# Altium PCB XInC2 Dev - PCB v2.0 20210410.PcbDoc (part 2 of 2)
Units mil, origin at the board's own origin, x right, y up, seen from the top; angles counter-clockwise.
Board outline 2362.2 x 3149.61 mil, 2 copper layers (Top Layer, Bottom Layer), stack 65.792 mil thick; 102 components, 103 nets, 476 pads, 446 vias.
Unrouted connection lines stored in the file: 2.
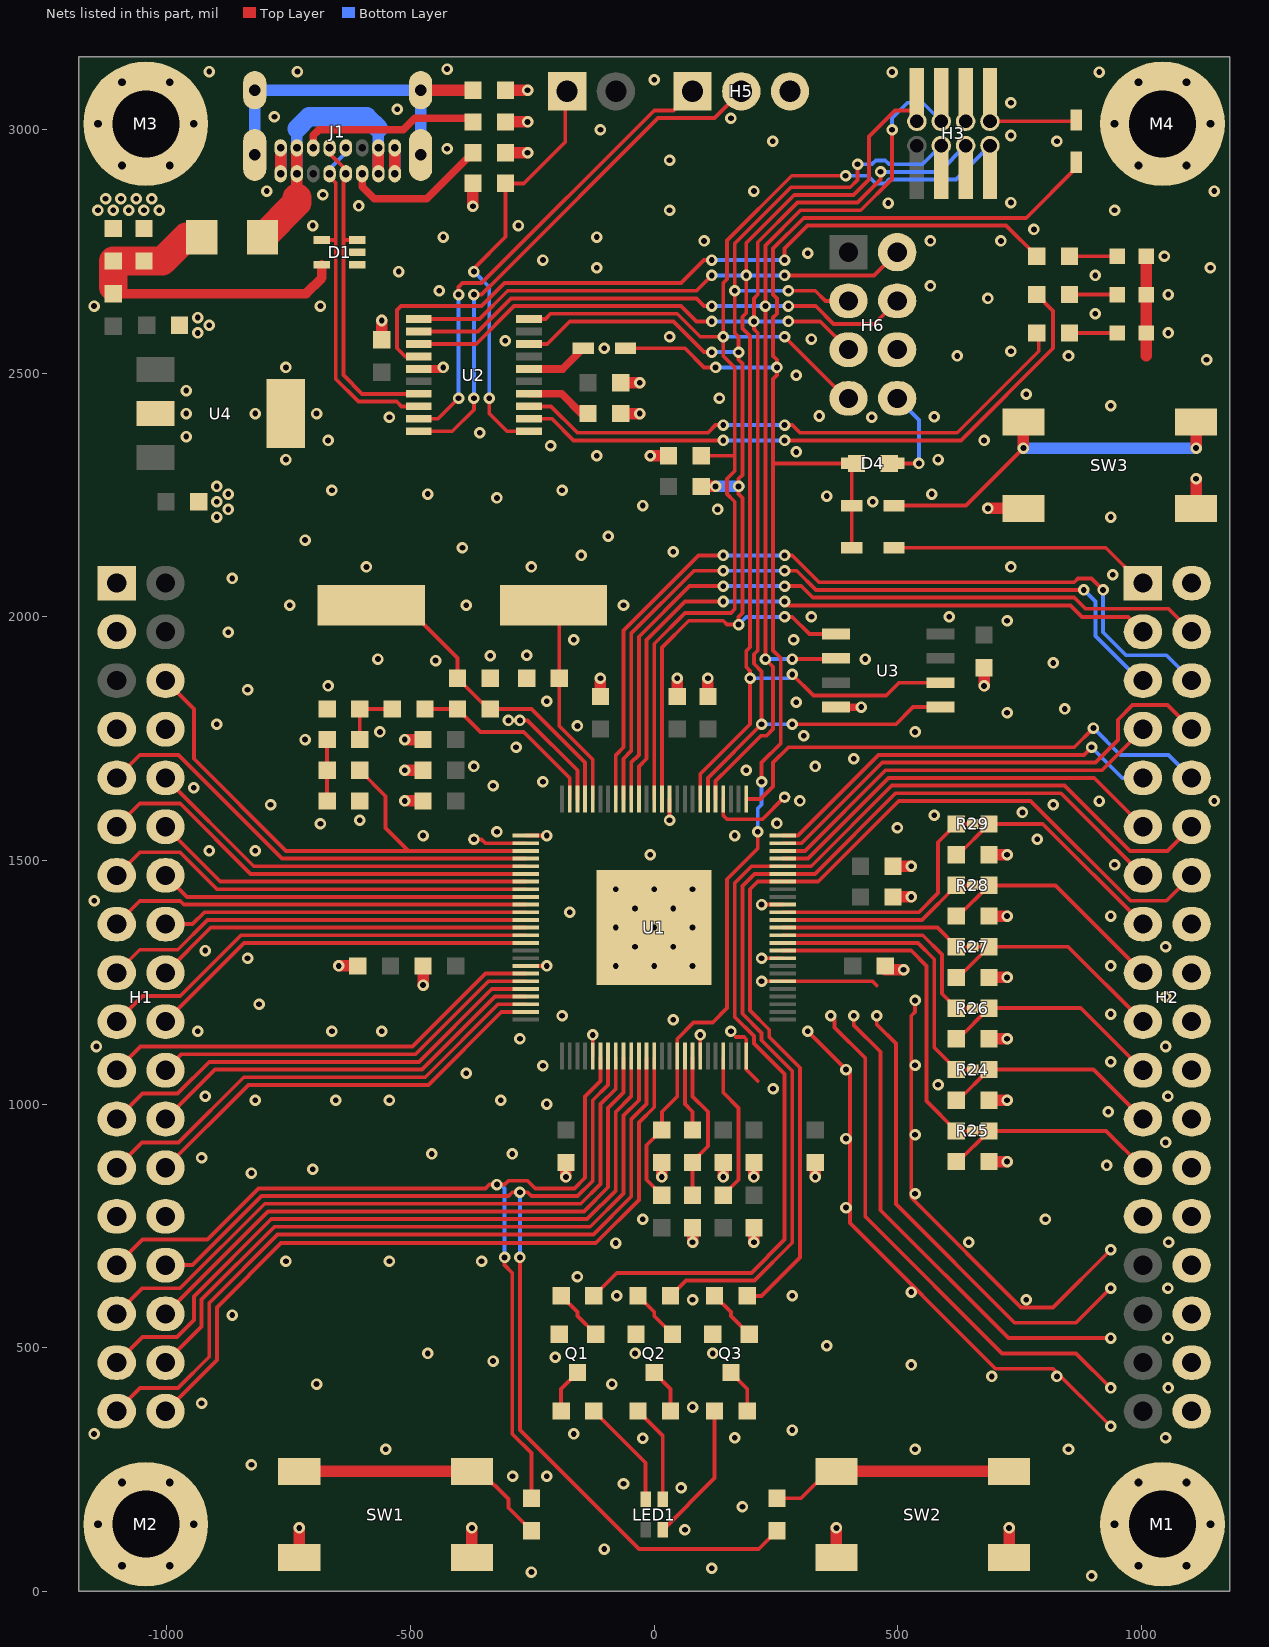
[diagram p2: the nets of this part, all layers, seen from the top]

## Via types
v1: diameter 23.62, hole 11.81, Top Layer to Bottom Layer, tented both sides, 446 vias

## Nets (pads, with @x,y where several pads share a name; then routed paths per layer and width w, separated by ;. In a path a pad name is that pad's centre, name@x,y a point inside that pad or via, vN(x,y) a via of type N, cw(c..) or ccw(c..) an arc to the next point about the centre after c; other vN are vias at no path point) (continued)
GND: C1.2 C2.2 C3.2 C4.2 C5.2 C6.2 C7.2 C8.2 C9.2 C10.2 C11.2 C12.2 C13.2 C14.2 C15.2 C16.2 C17.2 C18.1 C19.2 C20.2 C21.2 C22.2 C23.2 C25.2 C26.2 C27.2 C28.2 C29.2 C30.2 C31.2 C32.2 C33.2 C34.2 C35.2 C36.2 C37.2 D1.1 D1.2 H1.1 H1.3 H1.7 H1.8 H1.27 H1.28 H2.2 H2.16 H2.18 H2.20 H2.22 H2.24 H2.26 H2.27 H2.28 H2.30 H2.32 H2.34 H2.36 H3.6 H5.3 H6.6 J1.A1 J1.A12 J1.B1 J1.B12 LED2.2 LED3.2 LED4.2 M1.1 M2.1 M3.1 M4.1 Q1.E Q2.E Q3.E R4.1 R5.1 R14.1 R18.1 R20.1 SW1.1 SW1.2 SW2.1 SW2.2 SW3.1 SW3.2 U1.0 U1.6 U1.9 U1.16 U1.36 U1.48 U1.51 U1.68 U1.80 U1.94 U1.100 U2.15 U3.4 U4.2 | length 8142.8
  Top Layer w7.87: v1(-299.21,1787.4) v1(-275.59,1787.4) -259.84,1787.4 -157.48,1685.04 U1.48@-157.48,1625.98 ; U1.68@-263.78,1283.46 v1(-220.47,1283.46) ; U1.51@-263.78,1551.18 v1(-220.47,1551.18) ; U1.80@-125.98,1098.43 v1(-125.98,1141.73) ; v1(31.5,1582.68) U1.36@31.5,1625.98 ; U1.94@94.49,1098.43 v1(94.49,1141.73) ; 167.91,1137.8 184.2,1137.8 188.98,1133.02 U1.100@188.98,1098.43 188.98,1070.87 212.6,1047.24 ; v1(220.47,1251.97) U1.6@263.78,1251.97 447.87,1251.97 456.69,1243.15 ; v1(220.47,1299.21) U1.9@263.78,1299.21 ; v1(220.47,1409.45) U1.16@263.78,1409.45 ; v1(314.96,1149.61) 401.57,1062.99 401.57,755.91 700.79,456.69 818.9,456.69 v1(937.01,338.58) ; v1(362.2,1181.1) 370.08,1173.23 370.08,1157.37 433.07,1094.37 433.07,768.95 713.83,488.19 866.14,488.19 v1(937.01,417.32) ; v1(409.45,1181.1) 409.45,1162.54 464.57,1107.42 464.57,782 726.88,519.68 v1(937.01,519.68) ; v1(456.69,1181.1) 456.69,1163.44 496.06,1124.07 496.06,795.04 739.93,551.18 866.14,551.18 v1(937.01,622.05) ; v1(535.43,1212.6) 535.43,1188.98 527.56,1181.1 527.56,808.09 752.97,582.68 818.9,582.68 v1(937.01,700.79)
  Top Layer w15.75: U2.15@-483.27,2508.86 v1@-433.07,2508.86 ; U3.4@373.07,1814.76 v1(425.2,1814.76)
  Top Layer w23.62: J1.A12@-766.73,2909.45 J1.B1@-766.73,2962.6 ; SW1.2@-728.35,68.9 v1(-728.35,129.92) ; v1(-647.64,1283.46) C11.2@-608.27,1283.46 ; C22.2@-559.06,2568.9 v1(-559.06,2608.27) ; J1.A1@-532.48,2909.45 J1.B12@-532.48,2962.6 ; v1@-503.94,1622.05 C35.2@-474.41,1622.05 ; v1@-503.94,1685.04 C36.2@-474.41,1685.04 ; v1@-503.94,1748.03 C37.2@-474.41,1748.03 ; v1(-474.41,1244.09) C9.2@-474.41,1283.46 ; SW1.1@-374.02,68.9 v1(-374.02,129.92) ; v1(-372.05,2842.52) R14.1@-372.05,2889.76 ; R5.1@-305.12,2952.76 v1(-259.84,2952.76) ; R4.1@-305.12,3015.75 v1(-259.84,3015.75) ; R18.1@-305.12,3081.1 v1(-259.84,3081.1) ; v1(-181.1,850.39) C12.2@-181.1,879.92 ; C8.2@-110.24,1836.61 v1@-110.24,1866.14 ; C21.2@-68.9,2417.32 v1(-29.53,2417.32) ; C23.2@-68.9,2480.31 v1(-29.53,2480.31) ; v1(-7.87,2330.71) R20.1@29.53,2330.71 ; v1(15.75,850.39) C19.2@15.75,879.92 ; C7.2@47.24,1836.61 v1@47.24,1866.14 ; v1(78.74,716.54) C18.1@78.74,746.06 ; C10.2@110.24,1836.61 v1@110.24,1866.14 ; v1(141.73,850.39) C33.2@141.73,879.92 ; v1(204.72,716.54) C13.2@204.72,746.06 ; v1(204.72,850.39) C34.2@204.72,879.92 ; v1(330.71,850.39) C16.2@330.71,879.92 ; SW2.2@374.02,68.9 v1(374.02,129.92) ; C5.2@474.41,1275.59 v1(511.81,1275.59) ; C6.2@490.16,1425.2 v1(527.56,1425.2) ; C17.2@490.16,1488.19 v1(527.56,1488.19) ; v1(677.17,1858.27) C20.2@677.17,1895.67 ; v1(685.04,2222.44) SW3.2@757.87,2222.44 ; C28.2@687.01,881.89 v1(724.41,881.89) ; C27.2@687.01,1007.87 v1(724.41,1007.87) ; C29.2@687.01,1133.86 v1(724.41,1133.86) ; C30.2@687.01,1259.84 v1(724.41,1259.84) ; C31.2@687.01,1385.83 v1(724.41,1385.83) ; C32.2@687.01,1511.81 v1(724.41,1511.81) ; SW2.1@728.35,68.9 v1(728.35,129.92) ; 1009.84,2535.43 LED4.2@1009.84,2582.68 LED3.2@1009.84,2661.42 LED2.2@1009.84,2740.16 ; SW3.1@1112.2,2222.44 v1(1112.2,2283.46)
  Bottom Layer w23.62: J1.A12@-766.73,2909.45 J1.B1@-766.73,2962.6 ; J1.A1@-532.48,2909.45 J1.B12@-532.48,2962.6
  other v1: 897.64,31.5 -251.97,39.37 118.11,47.24 -102.36,86.61 62.99,125.98 181.1,173.23 55.12,212.6 -62.99,220.47 -290.7,236.22 -220.47,236.22 -826.77,259.84 -551.18,291.34 535.43,291.34 850.39,291.34 -23.62,313.91 165.35,314.96 1049.69,314.96 -1149.61,322.83 -165.35,322.83 283.46,330.71 78.74,377.95 -929.13,385.83 1055.12,417.32 -692.91,425.2 -86.61,425.2 692.91,440.94 826.77,440.94 527.56,464.57 -330.71,472.44 -202.99,480.31 -464.57,488.19 -39.37,488.19 120.08,488.19 354.33,503.94 1054.46,519.68 -866.14,566.93 78.74,598.43 763.78,598.43 -76.77,606.3 283.46,606.3 527.56,614.17 1054.46,622.05 -157.48,645.67 -755.91,677.17 -543.31,677.17 -354.33,677.17 -78.74,714.57 645.67,716.54 1055.71,716.54 -23.62,763.78 803.15,763.78 393.7,787.4 535.43,815.96 -826.77,858.27 -700.79,866.14 929.13,874.02 -929.13,889.76 -456.69,897.64 -291.34,897.64 1049.69,921.26 393.7,929.13 535.43,937.01 932.17,984.25 -220.47,1000 -818.9,1007.87 -653.54,1007.87 -543.31,1007.87 -314.96,1007.87 -921.26,1015.75 1054.46,1015.75 244.09,1031.5 582.68,1039.37 -385.83,1062.99 393.7,1070.87 -228.35,1078.74 535.43,1079.43 937.01,1086.61 -1144.92,1118.11 1049.69,1118.11 -275.59,1133.86 -937.01,1149.3 -661.42,1149.61 -559.06,1149.61 157.48,1149.61 39.37,1173.23 -188.98,1181.1 937.01,1184.81 -811.02,1204.72 1049.69,1220.47 -78.74,1283.46 0,1283.46 78.74,1283.46 937.01,1283.46 -834.65,1299.21 -921.26,1314.96 -39.37,1322.83 39.37,1322.83 1049.69,1322.83 -78.74,1362.2 0,1362.2 78.74,1362.2 937.01,1385.83 -173.23,1393.7 -39.37,1401.57 39.37,1401.57 -1149.28,1417.32 -78.74,1440.94 0,1440.94 78.74,1440.94 944.88,1491.13 -7.87,1511.81 -913.39,1519.68 -818.9,1519.68 786.47,1543.31 -474.41,1551.18 165.35,1551.18 -322.83,1559.06 499.19,1566.93 -685.04,1575.48 251.97,1576.07 -604.33,1582.68 574.8,1592.52 755.91,1598.43 -787.4,1614.17 818.9,1614.17 -511.81,1622.05 299.21,1622.05 913.39,1621.92 1149.61,1622.05 -944.88,1649.3 -330.71,1653.54 -228.35,1661.42 -511.81,1685.04 188.98,1685.04 -370.08,1692.91 330.71,1692.91 409.45,1708.66 -283.46,1732.28 -716.54,1748.03 -511.81,1748.03 307.09,1755.91 -562.99,1763.78 535.43,1763.78 -157.48,1776.21 -897.64,1779.53 724.41,1803.15 842.52,1811.02 291.34,1824.61 -220.47,1826.77 -834.65,1850.39 -669.29,1858.27 -110.24,1874.02 47.24,1874.02 110.24,1874.02 818.9,1905.51 -448.82,1910.37 -566.93,1913.39 433.07,1913.39 -336.61,1919.96 -261.81,1921.26 -165.35,1952.76 286,1952.76 -874.02,1968.5 724.41,1992.13 322.83,2000 605.63,2000 -748.03,2023.62 -385.83,2023.62 -62.99,2023.62 -866.14,2078.74 941.33,2086.61 -590.55,2102.36 -251.97,2102.36 732.28,2102.36 -149.61,2125.98 39.37,2133.86 -393.7,2141.73 -716.54,2157.48 -94.49,2165.35 -897.64,2204.72 937.01,2204.72 -874.02,2220.47 130.18,2220.47 -23.62,2228.35 -897.64,2236.22 448.82,2236.22 -322.83,2244.09 354.33,2248 -874.02,2251.97 -464.57,2251.97 569.82,2251.97 -661.42,2259.84 -188.98,2259.84 -897.64,2267.72 -755.91,2322.83 582.68,2322.83 -118.11,2330.71 291.34,2338.58 -212.6,2351.08 -669.29,2362.2 677.17,2362.2 -960.63,2370.08 -358.04,2377.95 -543.31,2409.45 446.44,2409.45 574.8,2410.6 338.58,2412.24 -960.63,2417.32 -818.9,2417.32 -692.91,2417.32 937.01,2433.07 133.86,2448.82 763.78,2456.69 -960.63,2464.57 291.34,2496.06 -755.91,2511.81 -433.07,2511.81 1133.86,2527.56 622.05,2535.43 850.39,2535.43 732.28,2545.28 -102.36,2551.18 -305.64,2566.93 322.83,2570.27 31.5,2574.8 -937.01,2582.68 1055.12,2582.68 -913.39,2598.43 -937.01,2614.17 905.51,2622.05 -1149.61,2637.8 -685.04,2637.8 685.04,2653.54 1055.12,2661.42 -440.94,2669.29 566.93,2679.31 905.51,2700.79 -524.29,2708.66 -118.11,2716.54 1141.73,2716.54 -228.35,2732.28 1047.24,2740.16 314.96,2746.48 102.36,2771.65 566.93,2771.65 711.81,2771.65 -433.07,2779.53 -118.11,2779.53 779.53,2795.28 -700.79,2803.15 -278.54,2803.15 -1141.73,2834.65 -1110.24,2834.65 -1078.74,2834.65 -1047.24,2834.65 -1015.75,2834.65 31.5,2834.65 944.88,2834.65 -606.3,2843.43 480.32,2849.41 732.28,2850.39 -1125.98,2858.27 -1094.49,2858.27 -1062.99,2858.27 -1031.5,2858.27 -679.84,2866.14 -795.28,2874.02 204.72,2874.02 1149.61,2874.02 31.5,2937.01 -425.2,2960.63 243.53,2976.38 826.77,2976.38 732.28,2987.99 -110.24,3000 157.48,3023.62 -779.53,3026.42 -527.56,3042.1 732.28,3055.12 0,3102.36 488.19,3118.11 913.39,3118.11 -913.39,3119.31 -732.28,3119.31 -425.2,3124.36
NetC1_1: C1.1 U1.46 X1.1 | length 431.1
  Top Layer w7.87: X1.1@-206.69,2023.62 -194.88,2011.81 C1.1@-194.88,1874.02 -194.88,1776.21 -125.98,1707.31 U1.46@-125.98,1625.98
NetC2_1: C2.1 C24.1 U1.47 X1.2 | length 671.7
  Top Layer w7.87: X1.2@-580.71,2023.62 -511.81,2023.62 -403.54,1915.35 C2.1@-403.54,1874.02 C24.1@-340.55,1811.02 ; C24.1@-348.43,1811.02 C24.1@-344.49,1811.02 ; C24.1@-336.61,1811.02 -251.97,1811.02 -141.73,1700.79 U1.47@-141.73,1625.98
NetC18_2: C18.2 R3.2 U1.93 | length 305.6
  Top Layer w7.87: C18.2@78.74,812.99 R3.2@78.74,879.92 ; R3.2@78.74,881.89 110.24,913.39 110.24,984.25 78.74,1015.75 U1.93@78.74,1094.49
NetC21_1: C21.1 U2.4 | length 137.8
  Top Layer w15.75: U2.4@-256.89,2457.68 -189.96,2457.68 -149.61,2417.32 C21.1@-135.83,2417.32
NetC24_2: C24.2 R21.1 U1.49 | length 399.3
  Top Layer w7.87: R21.1@-470.47,1811.02 C24.2@-403.54,1811.02 -356.3,1763.78 -267.72,1763.78 -173.23,1669.29 U1.49@-173.23,1625.98
NetC25_1: C25.1 R21.2 R22.1 | length 129.9
  Top Layer w7.87: R22.1@-604.33,1748.03 C25.1@-604.33,1811.02 R21.2@-537.4,1811.02
NetC26_1: C26.1 R22.2 R23.1 | length 126
  Top Layer w7.87: C26.1@-671.26,1622.05 R22.2@-671.26,1748.03
NetD2_2: D2.2 H3.8 | length 225.4
  Top Layer w7.87: H3.8@689.17,3065.55 H3.8@689.17,3017.13 D2.2@866.14,3017.13
NetD3_2: D3.2 U2.6 | length 128.8
  Top Layer w15.75: U2.6@-256.89,2508.86 -187.99,2508.86 D3.2@-145.67,2551.18
NetD4_2: D4.2 H6.8 | length 203.1
  Top Layer w7.87: D4.2@492.13,2314.96 v1(543.31,2314.96)
  Bottom Layer w7.87: H6.8@498.82,2448.43 543.31,2403.94 v1(543.31,2314.96)
NetD5_2: D5.2 SW3.3 SW3.4 | length 775.3
  Top Layer w7.87: D5.2@492.13,2228.35 639.76,2228.35 v1(757.87,2346.46)
  Top Layer w23.62: v1(757.87,2346.46) SW3.4@757.87,2399.61 ; v1(1112.2,2346.46) SW3.3@1112.2,2399.61
  Bottom Layer w23.62: v1(757.87,2346.46) v1(1112.2,2346.46)
NetD6_2: D6.2 H2.1 | length 541
  Top Layer w7.87: D6.2@492.13,2141.73 926.77,2141.73 999.21,2069.29 H2.1@1003.15,2069.29
NetF1_1: F1.1 J1.A4 J1.A9 J1.B4 J1.B9 | length 638.3
  Top Layer w23.62: -733.27,2860.24 J1.A9@-733.27,2909.45 J1.B4@-733.27,2962.6 ; J1.A4@-565.94,2909.45 J1.B9@-565.94,2962.6
  Top Layer w59.06: F1.1@-803.94,2779.55 -733.27,2850.22 -733.27,2860.24
  Bottom Layer w23.62: J1.A9@-733.27,2909.45 J1.B4@-733.27,2962.6 -733.27,3001.97 ; J1.A4@-565.94,2909.45 J1.B9@-565.94,2962.6 -565.94,3002.38
  Bottom Layer w39.37: -733.27,3001.97 -708.82,3026.42 -589.98,3026.42 -565.94,3002.38
NetH4_1: H4.1 R14.2 U2.1 | length 870.8
  Top Layer w7.87: v1(-370.08,2708.66) -370.08,2715.18 -305.12,2780.15 R14.2@-305.12,2889.76 -267.72,2889.76 -182.68,2974.8 H4.1@-182.68,3078.74 ; v1(-338.58,2448.82) -338.58,2417.32 -302.17,2380.91 U2.1@-256.89,2380.91
  Bottom Layer w7.87: v1(-370.08,2708.66) -338.58,2677.17 v1(-338.58,2448.82)
NetJ1_0: J1.0 R18.2 | length 714
  Top Layer w23.62: J1.0@-479.33,3081.1 R18.2@-372.05,3081.1
  Bottom Layer w23.62: J1.0@-819.88,2948.03 J1.0@-819.88,3081.1 J1.0@-479.33,3081.1 J1.0@-479.33,2948.03
NetJ1_A5: J1.A5 R5.2 | length 303.3
  Top Layer w15.75: J1.A5@-599.41,2909.45 -599.41,2882.87 -574.8,2858.27 -466.54,2858.27 R5.2@-372.05,2952.76
NetJ1_B5: J1.B5 R4.2 | length 371.3
  Top Layer w15.75: J1.B5@-699.8,2962.6 -699.8,2988.19 -687.99,3000 -515.19,3000 -491.57,3023.62 -379.92,3023.62 R4.2@-372.05,3015.75
NetLED1_1: LED1.1 R6.1 | length 225.1
  Top Layer w7.87: R6.1@-124.02,370.08 -17.72,263.78 LED1.1@-17.72,188.98
NetLED1_2: LED1.2 R7.1 | length 202.3
  Top Layer w7.87: R7.1@-33.46,370.08 17.72,318.9 LED1.2@17.72,188.98
NetLED1_3: LED1.3 R8.2 | length 288.1
  Top Layer w7.87: LED1.3@17.72,125.98 124.02,232.28 R8.2@124.02,370.08
NetLED2_1: LED2.1 R15.2 | length 98.4
  Top Layer w7.87: R15.2@852.36,2740.16 LED2.1@950.79,2740.16
NetLED3_1: LED3.1 R16.2 | length 98.4
  Top Layer w7.87: R16.2@852.36,2661.42 LED3.1@950.79,2661.42
NetLED4_1: LED4.1 R17.1 | length 98.4
  Top Layer w7.87: R17.1@852.36,2582.68 LED4.1@950.79,2582.68
NetQ1_B: Q1.B R9.2 | length 108.1
  Top Layer w7.87: R9.2@-190.95,606.3 -157.48,572.83 -157.48,564.96 Q1.B@-120.08,527.56
NetQ1_C: Q1.C R6.2 | length 92.6
  Top Layer w7.87: R6.2@-190.95,370.08 -190.95,415.35 Q1.C@-157.48,448.82
NetQ2_B: Q2.B R11.2 | length 108.1
  Top Layer w7.87: R11.2@-33.46,606.3 0,572.83 0,564.96 Q2.B@37.4,527.56
NetQ2_C: Q2.C R7.2 | length 92.6
  Top Layer w7.87: Q2.C@0,448.82 33.46,415.35 R7.2@33.46,370.08
NetQ3_B: Q3.B R12.2 | length 108.1
  Top Layer w7.87: R12.2@124.02,606.3 157.48,572.83 157.48,564.96 Q3.B@194.88,527.56
NetQ3_C: Q3.C R8.1 | length 92.6
  Top Layer w7.87: Q3.C@157.48,448.82 190.94,415.35 R8.1@190.94,370.08
NetR2_1: R2.1 U1.97 | length 307.6
  Top Layer w7.87: R2.1@141.73,812.99 173.23,844.49 173.23,992.13 141.73,1023.62 U1.97@141.73,1094.49
NetR3_1: R3.1 U1.92 | length 152.2
  Top Layer w7.87: U1.92@62.99,1094.49 62.99,1000 78.74,984.25 R3.1@78.74,948.82
NetR10_2: R10.2 SW1.3 SW1.4 | length 537.3
  Top Layer w7.87: SW1.3@-374.02,246.06 -356.3,246.06 -299.21,188.98 -299.21,171.26 R10.2@-251.97,124.02
  Top Layer w23.62: SW1.4@-728.35,246.06 SW1.3@-374.02,246.06
NetR13_2: R13.2 SW2.3 SW2.4 | length 499.2
  Top Layer w7.87: R13.2@251.97,190.94 301.18,190.94 356.3,246.06 SW2.4@374.02,246.06
  Top Layer w23.62: SW2.4@374.02,246.06 SW2.3@728.35,246.06
NetR15_1: R15.1 U2.14 | length 1554.6
  Top Layer w7.87: U2.14@-483.27,2534.45 -510.83,2534.45 -527.56,2551.18 -527.56,2629.92 -519.69,2637.8 -354.33,2637.8 -307.09,2685.04 55.12,2685.04 102.36,2732.28 v1(118.11,2732.28) ; v1(267.72,2732.28) 267.72,2755.91 314.96,2803.15 722.44,2803.15 R15.1@785.43,2740.16
  Bottom Layer w7.87: v1(118.11,2732.28) v1(267.72,2732.28)
NetR16_1: R16.1 U2.2 | length 1296.5
  Top Layer w7.87: U2.2@-256.89,2406.5 -209.65,2406.5 -165.35,2362.2 v1(141.73,2362.2) ; v1(267.72,2362.2) 629.92,2362.2 818.9,2551.18 818.9,2627.95 R16.1@785.43,2661.42
  Bottom Layer w7.87: v1(141.73,2362.2) v1(267.72,2362.2)
NetR17_2: R17.2 U2.3 | length 1188.4
  Top Layer w7.87: U2.3@-256.89,2432.09 -211.61,2432.09 -157.48,2377.95 110.24,2377.95 125.98,2393.7 v1(141.73,2393.7) ; v1(267.72,2393.7) 283.46,2393.7 299.21,2377.95 622.05,2377.95 789.37,2545.28 R17.2@789.37,2582.68
  Bottom Layer w7.87: v1(141.73,2393.7) v1(267.72,2393.7)
NTC0: TP2.1 U1.29 | length 181.5
  Top Layer w7.87: U1.29@141.73,1625.98 141.73,1592.46 149.61,1584.59 222.38,1584.59 TP2.1@267.72,1629.92
NTC1: TP1.1 U1.52 | length 109.6
  Top Layer w7.87: TP1.1@-370.08,1543.31 -354.33,1543.31 -346.46,1535.43 U1.52@-263.78,1535.43
PA0: H1.20 U1.65 | length 806.2
  Top Layer w7.87: H1.20@-1003.15,1169.29 -841.73,1330.71 U1.65@-263.78,1330.71
PA1: H1.19 U1.64 | length 912.8
  Top Layer w7.87: H1.19@-1103.15,1169.29 -1050.52,1221.92 -972.79,1221.92 -848.26,1346.46 U1.64@-263.78,1346.46
PA2: H1.18 U1.63 | length 777.9
  Top Layer w7.87: H1.18@-1003.15,1269.29 -910.24,1362.2 U1.63@-263.78,1362.2
PA3: H1.17 U1.62 | length 884.4
  Top Layer w7.87: H1.17@-1103.15,1269.29 -1055.78,1316.66 -978.05,1316.66 -916.76,1377.95 U1.62@-263.78,1377.95
PA4: H1.16 U1.61 | length 749.5
  Top Layer w7.87: H1.16@-1003.15,1369.29 -947.69,1369.29 -923.28,1393.7 U1.61@-263.78,1393.7
PA5: H1.15 U1.60 | length 862
  Top Layer w7.87: H1.15@-1103.15,1369.29 -1055.78,1416.66 -972.79,1416.66 -965.58,1409.45 U1.60@-263.78,1409.45
PA6: H1.14 U1.59 | length 757.6
  Top Layer w7.87: H1.14@-1003.15,1469.29 -959.06,1425.2 U1.59@-263.78,1425.2
PA7: H1.13 U1.58 | length 890.4
  Top Layer w7.87: H1.13@-1103.15,1469.29 -1055.78,1516.66 -972.79,1516.66 -897.07,1440.94 U1.58@-263.78,1440.94
PC0: H2.3 U1.40 | length 1410.6
  Top Layer w7.87: U1.40@-31.5,1625.98 -31.5,1692.91 -15.75,1708.66 -15.75,1952.76 62.99,2031.5 v1(141.73,2031.5) ; v1(267.72,2031.5) 275.59,2023.62 854.33,2023.62 877.95,2000 972.44,2000 H2.3@1003.15,1969.29
  Bottom Layer w7.87: v1(141.73,2031.5) v1(267.72,2031.5)
PC1: H2.4 U1.41 | length 1556.2
  Top Layer w7.87: U1.41@-47.24,1625.98 -47.24,1700.79 -31.5,1716.54 -31.5,1959.28 72.22,2062.99 v1(141.73,2062.99) ; v1(267.72,2062.99) 301.91,2062.99 325.54,2039.37 862.2,2039.37 885.04,2016.54 1055.91,2016.54 H2.4@1103.15,1969.29
  Bottom Layer w7.87: v1(141.73,2062.99) v1(267.72,2062.99)
PC2: H2.5 U1.42 | length 1584.8
  Top Layer w7.87: U1.42@-62.99,1625.98 -62.99,1708.66 -47.24,1724.41 -47.24,1965.8 81.44,2094.49 v1(141.73,2094.49) ; v1(267.72,2094.49) 292.69,2094.49 332.06,2055.12 v1(881.89,2055.12)
  Bottom Layer w7.87: v1(141.73,2094.49) v1(267.72,2094.49) ; v1(881.89,2055.12) 905.51,2031.5 905.51,1960.63 996.85,1869.29 H2.5@1003.15,1869.29
PC3: H2.6 U1.43 | length 1746.2
  Top Layer w7.87: U1.43@-78.74,1625.98 -78.74,1716.54 -62.99,1732.28 -62.99,1972.32 90.67,2125.98 v1(141.73,2125.98) ; v1(267.72,2125.98) 283.46,2125.98 338.58,2070.87 716.54,2070.87 862.2,2070.87 870.08,2078.74 897.64,2078.74 v1(921.26,2055.12)
  Bottom Layer w7.87: v1(141.73,2125.98) v1(267.72,2125.98) ; v1(921.26,2055.12) 921.26,1968.5 968.5,1921.26 1051.18,1921.26 H2.6@1103.15,1869.29
PC4: H2.7 U1.23 | length 842.8
  Top Layer w7.87: U1.23@263.78,1519.68 309.23,1519.68 474.58,1685.04 918.9,1685.04 H2.7@1003.15,1769.29
PC5: H2.8 U1.24 | length 1001.7
  Top Layer w7.87: U1.24@263.78,1535.43 302.71,1535.43 468.06,1700.79 905.51,1700.79 951.97,1747.24 951.97,1788.86 982.01,1818.9 1053.54,1818.9 H2.8@1103.15,1769.29
PC6: H2.9 U1.25 | length 840.5
  Top Layer w7.87: U1.25@263.78,1551.18 294.83,1551.18 460.19,1716.54 881.89,1716.54 v1(897.64,1732.28)
  Bottom Layer w7.87: v1(897.64,1732.28) 960.63,1669.29 H2.9@1003.15,1669.29
PC7: H2.10 U1.26 | length 1045.7
  Top Layer w7.87: U1.26@188.98,1625.98 218.45,1625.98 244.09,1651.63 244.09,1700.79 275.59,1732.28 862.2,1732.28 v1(901.57,1771.65)
  Bottom Layer w7.87: v1(901.57,1771.65) 956.69,1716.54 1055.91,1716.54 H2.10@1103.15,1669.29
PD0/MISO1: H1.9 U1.54 | length 947.1
  Top Layer w7.87: H1.9@-1103.15,1669.29 -1055.78,1716.66 -976.5,1716.66 -763.78,1503.94 U1.54@-263.78,1503.94
PD1/MOSI1: H1.10 U1.55 | length 814.4
  Top Layer w7.87: H1.10@-1003.15,1669.29 -822.05,1488.19 U1.55@-263.78,1488.19
PD2/SCK1: H1.11 U1.56 | length 918.7
  Top Layer w7.87: H1.11@-1103.15,1569.29 -1055.78,1616.66 -972.79,1616.66 -828.57,1472.44 U1.56@-263.78,1472.44
PD3/SEN1: H1.12 U1.57 | length 786
  Top Layer w7.87: H1.12@-1003.15,1569.29 -890.55,1456.69 U1.57@-263.78,1456.69
PD4/TMRA0: H2.11 U1.22 | length 849.3
  Top Layer w7.87: U1.22@263.78,1503.94 315.75,1503.94 481.11,1669.29 903.15,1669.29 H2.11@1003.15,1569.29
PD5/TMRA1: H2.12 R9.1 U1.21 | length 2310.7
  Top Layer w7.87: R9.1@-124.02,606.3 -76.77,653.54 199.55,653.54 267.72,721.71 267.72,1061.53 204.72,1124.52 204.72,1139.54 165.35,1178.91 165.35,1453.99 199.55,1488.19 U1.21@263.78,1488.19 322.28,1488.19 487.63,1653.54 842.52,1653.54 976.38,1519.68 1053.54,1519.68 H2.12@1103.15,1569.29
PD6/TMRA2: H2.13 R11.1 U1.20 | length 2040.5
  Top Layer w7.87: R11.1@33.46,606.3 64.96,637.8 206.08,637.8 283.46,715.18 283.46,1068.05 220.47,1131.04 220.47,1146.07 181.1,1185.44 181.1,1447.47 206.08,1472.44 U1.20@263.78,1472.44 330.15,1472.44 495.5,1637.8 834.65,1637.8 H2.13@1003.15,1469.29
PD7/TMRA3: H2.14 R12.1 U1.19 | length 2026.8
  Top Layer w7.87: R12.1@190.94,606.3 220.47,606.3 299.21,685.04 299.21,1074.57 236.22,1137.56 236.22,1152.59 196.85,1191.96 196.85,1440.94 212.6,1456.69 U1.19@263.78,1456.69 336.67,1456.69 502.03,1622.05 772.66,1622.05 977.39,1417.32 1051.18,1417.32 H2.14@1103.15,1469.29
PE0: H1.29 R10.1 U1.81 | length 1985.2
  Top Layer w7.87: H1.29@-1103.15,669.29 -1050.39,722.05 -917.21,722.05 -812.48,826.77 -346.46,826.77 -338.58,834.65 v1(-322.83,834.65) -307.09,834.65 -299.21,842.52 -259.84,842.52 -244.09,826.77 -163.77,826.77 -141.73,848.81 -141.73,1015.75 -110.24,1047.24 U1.81@-110.24,1094.49 ; v1(-307.09,685.04) -307.09,669.29 -291.34,653.54 -291.34,322.83 -251.97,283.46 R10.1@-251.97,190.94
  Bottom Layer w7.87: v1(-322.83,834.65) -314.96,834.65 -307.09,826.77 v1(-307.09,685.04)
PE1: H1.30 R13.1 U1.82 | length 2352.9
  Top Layer w7.87: H1.30@-1003.15,669.29 -947.69,669.29 -805.96,811.02 -299.21,811.02 -291.34,818.9 v1(-275.59,818.9) -259.84,818.9 -251.97,811.02 -157.25,811.02 -125.98,842.29 -125.98,1007.87 -94.49,1039.37 U1.82@-94.49,1094.49 ; v1(-275.59,685.04) -275.59,330.71 -31.5,86.61 214.57,86.61 R13.1@251.97,124.02
  Bottom Layer w7.87: v1(-275.59,685.04) v1(-275.59,818.9)
PE2: H1.31 U1.83 | length 1375.1
  Top Layer w7.87: H1.31@-1103.15,569.29 -1050.39,622.05 -972.66,622.05 -799.44,795.28 -150.72,795.28 -110.24,835.76 -110.24,1000 -78.74,1031.5 U1.83@-78.74,1094.49
PE3: H1.32 U1.84 | length 1294.6
  Top Layer w7.87: H1.32@-1003.15,569.29 -792.91,779.53 -144.2,779.53 -94.49,829.24 -94.49,992.13 -62.99,1023.62 U1.84@-62.99,1094.49
PE4: H1.33 U1.85 | length 1483.9
  Top Layer w7.87: H1.33@-1103.15,469.29 -1050.39,522.05 -979.64,522.05 -944.88,556.81 -944.88,605.03 -786.13,763.78 -137.68,763.78 -78.74,822.72 -78.74,984.25 -47.24,1015.75 U1.85@-47.24,1094.49
PE5: H1.34 U1.86 | length 1407.5
  Top Layer w7.87: H1.34@-1003.15,469.29 -929.13,543.31 -929.13,598.51 -779.61,748.03 -131.16,748.03 -62.99,816.2 -62.99,976.38 -31.5,1007.87 U1.86@-31.5,1094.49
PE6: H1.35 U1.87 | length 1601
  Top Layer w7.87: H1.35@-1103.15,369.29 -1055.12,417.32 -977.39,417.32 -913.39,481.33 -913.39,591.98 -773.09,732.28 -124.63,732.28 -47.24,809.67 -47.24,968.5 -15.75,1000 U1.87@-15.75,1094.49
PE7: H1.36 U1.88 | length 1518.9
  Top Layer w7.87: H1.36@-1003.15,369.29 -897.64,474.8 -897.64,582.68 -765.75,714.57 -120.08,714.57 -31.5,803.15 -31.5,961.98 0,993.48 U1.88@0,1094.49
PF0/SDIO1: C27.1 H2.23 R24.1 R24.2 U1.11 | length 1088.2
  Top Layer w7.87: U1.11@263.78,1330.71 541.34,1330.71 574.8,1297.24 574.8,1116.14 R24.1@620.08,1070.87 R24.1@653.54,1070.87 R24.2@687.01,1070.87 ; C27.1@620.08,1007.87 624.02,1007.87 R24.2@687.01,1070.87 ; H2.23@1003.15,969.29 901.57,1070.87 R24.2@687.01,1070.87
PF1/SDIO2: C28.1 H2.25 R25.1 R25.2 U1.10 | length 1179.6
  Top Layer w7.87: U1.10@263.78,1314.96 527.56,1314.96 559.06,1283.46 559.06,1005.91 R25.1@620.08,944.88 R25.1@653.54,944.88 R25.2@687.01,944.88 ; C28.1@620.08,881.89 624.02,881.89 R25.2@687.01,944.88 ; H2.25@1003.15,869.29 927.56,944.88 R25.2@687.01,944.88
PH0/BB0CLK: H1.21 U1.69 | length 921.6
  Top Layer w7.87: H1.21@-1103.15,1069.29 -1054.33,1118.11 -496.06,1118.11 -346.46,1267.72 U1.69@-263.78,1267.72
PH1/BB0O: H1.22 U1.70 | length 815
  Top Layer w7.87: H1.22@-1003.15,1069.29 -970.08,1102.36 -489.54,1102.36 -339.93,1251.97 U1.70@-263.78,1251.97
PH2/BB0I: H1.23 U1.71 | length 949.9
  Top Layer w7.87: H1.23@-1103.15,969.29 -1050.52,1021.92 -978.08,1021.92 -913.39,1086.61 -483.02,1086.61 -333.41,1236.22 U1.71@-263.78,1236.22
PI0/BB1CLK: H1.24 U1.72 | length 843.4
  Top Layer w7.87: H1.24@-1003.15,969.29 -901.57,1070.87 -476.49,1070.87 -326.89,1220.47 U1.72@-263.78,1220.47
PI1/BB1O: H1.25 U1.73 | length 978.3
  Top Layer w7.87: H1.25@-1103.15,869.29 -1051.18,921.26 -976.38,921.26 -842.52,1055.12 -469.97,1055.12 -320.36,1204.72 U1.73@-263.78,1204.72
PI2/BB1I: H1.26 U1.74 | length 871.8
  Top Layer w7.87: H1.26@-1003.15,869.29 -833.07,1039.37 -463.45,1039.37 -313.84,1188.98 U1.74@-263.78,1188.98
PJ0/SDIO0: C29.1 H2.21 R26.1 R26.2 U1.12 | length 994.5
  Top Layer w7.87: U1.12@263.78,1346.46 551.18,1346.46 590.55,1307.09 590.55,1226.38 R26.1@620.08,1196.85 R26.1@653.54,1196.85 R26.2@687.01,1196.85 ; C29.1@620.08,1133.86 624.02,1133.86 R26.2@687.01,1196.85 ; H2.21@1003.15,1069.29 875.59,1196.85 R26.2@687.01,1196.85
PJ1/LRCK: C30.1 H2.19 R27.1 R27.2 U1.13 | length 912.7
  Top Layer w7.87: U1.13@263.78,1362.2 581.33,1362.2 620.08,1323.45 R27.1@620.08,1322.83 R27.1@653.54,1322.83 R27.2@687.01,1322.83 ; C30.1@620.08,1259.84 624.02,1259.84 R27.2@687.01,1322.83 ; H2.19@1003.15,1169.29 849.61,1322.83 R27.2@687.01,1322.83
PJ2/BCLK: C31.1 H2.17 R28.1 R28.2 U1.14 | length 936.5
  Top Layer w7.87: U1.14@263.78,1377.95 549.83,1377.95 620.08,1448.2 R28.1@620.08,1448.82 R28.1@653.54,1448.82 R28.2@687.01,1448.82 ; C31.1@620.08,1385.83 624.02,1385.83 R28.2@687.01,1448.82 ; H2.17@1003.15,1269.29 823.62,1448.82 R28.2@687.01,1448.82
PJ3/MCLK: C32.1 H2.15 R29.1 R29.2 U1.15 | length 1053.6
  Top Layer w7.87: U1.15@263.78,1393.7 543.31,1393.7 582.68,1433.07 582.68,1537.4 R29.1@620.08,1574.8 R29.1@653.54,1574.8 R29.2@687.01,1574.8 ; C32.1@620.08,1511.81 624.02,1511.81 R29.2@687.01,1574.8 ; H2.15@1003.15,1369.29 797.64,1574.8 R29.2@687.01,1574.8
SYS_SWCLK: H5.2 U2.20 | length 1089.4
  Top Layer w7.87: U2.20@-483.27,2380.91 -414.37,2380.91 -370.08,2425.2 v1(-370.08,2448.82) ; v1(-370.08,2661.42) -354.33,2661.42 -314.96,2700.79 7.87,3023.62 123.62,3023.62 H5.2@178.74,3078.74
  Bottom Layer w7.87: v1(-370.08,2448.82) v1(-370.08,2661.42)
SYS_SWDIO: H5.1 U2.19 | length 974.2
  Top Layer w7.87: U2.19@-483.27,2406.5 -443.9,2406.5 v1(-401.57,2448.82) ; v1(-401.57,2661.42) -401.57,2677.17 -393.7,2685.04 -354.33,2685.04 0,3039.37 39.37,3039.37 H5.1@78.74,3078.74
  Bottom Layer w7.87: v1(-401.57,2448.82) v1(-401.57,2661.42)
TMRB: H1.6 R23.2 U1.53 | length 1151.1
  Top Layer w7.87: H1.6@-1003.15,1869.29 -944.88,1811.02 -944.88,1708.66 -755.91,1519.68 -503.94,1519.68 ; R23.2@-604.33,1685.04 -551.18,1631.89 -551.18,1566.93 -503.94,1519.68 ; U1.53@-263.78,1519.68 -503.94,1519.68
USB_D+: D1.3 J1.A6 J1.B6 U2.17 | length 682.2
  Top Layer w7.87: J1.B6@-666.34,2962.6 -666.34,2951.14 -632.87,2917.67 J1.A6@-632.87,2909.45 -637.8,2904.53 -637.8,2771.65 ; D1.3@-609.25,2773.62 -635.83,2773.62 -637.8,2771.65 ; U2.17@-483.27,2457.68 -599.41,2457.68 -637.8,2496.06 -637.8,2771.65
USB_D-: D1.4 J1.A7 J1.B7 U2.18 | length 715.6
  Top Layer w7.87: D1.4@-682.09,2773.62 -653.54,2773.62 ; J1.A7@-666.34,2909.45 -666.34,2903.19 -653.54,2890.4 -653.54,2773.62 ; U2.18@-483.27,2432.09 -518.7,2432.09 -528.54,2441.93 -607.28,2441.93 -653.54,2488.19 -653.54,2773.62
  Bottom Layer w7.87: J1.A7@-666.34,2909.45 -666.34,2919.29 -632.87,2952.76 J1.B7@-632.87,2962.6
VBUS: C3.1 C4.1 D1.5 F1.2 L1.1 | length 723.6
  Top Layer w19.68: L1.1@-1110.24,2663.39 -714.57,2663.39 -682.09,2695.87 D1.5@-682.09,2722.44
  Top Layer w59.06: L1.1@-1110.24,2677.17 C4.1@-1110.24,2730.31 C3.1@-1047.24,2730.31 -1009.84,2730.31 -960.65,2779.51 F1.2@-928.35,2779.51
XPD_CS_MEM: H3.3 H6.3 R19.1 U1.37 U2.8 U3.1 | length 2840.7
  Top Layer w7.87: U2.8@-256.89,2560.04 -219.49,2560.04 -173.23,2606.3 39.37,2606.3 102.36,2543.31 v1(118.11,2543.31) ; U1.37@15.75,1625.98 15.75,1937.01 70.87,1992.13 141.73,1992.13 149.61,1984.25 v1(173.23,1984.25) 173.23,2000 181.1,2007.87 181.1,2244.09 173.23,2251.97 v1(173.23,2267.72) 173.23,2283.46 181.1,2291.34 181.1,2519.68 173.23,2527.56 v1(173.23,2543.31) 173.23,2574.8 165.35,2582.68 v1(165.35,2669.29) 165.35,2766.25 280.99,2881.89 402.53,2881.89 417.32,2896.69 v1(417.32,2929.13) ; v1(267.72,2000) 283.46,2000 318.7,1964.76 U3.1@373.07,1964.76 ; v1(275.59,2669.29) 330.71,2669.29 351.57,2648.43 H6.3@398.82,2648.43
  Top Layer w23.62: R19.1@96.46,2267.72 v1(125.98,2267.72)
  Bottom Layer w7.87: v1(118.11,2543.31) v1(173.23,2543.31) ; v1(165.35,2669.29) v1(275.59,2669.29) ; v1(173.23,1984.25) 188.98,2000 v1(267.72,2000) ; v1(417.32,2929.13) 446.91,2929.13 454.78,2937 474.35,2937 482.22,2929.13 551.18,2929.13 H3.3@589.17,2967.13
  Bottom Layer w23.62: v1(125.98,2267.72) v1(173.23,2267.72)
XPD_CS_X2: H3.7 H6.7 R20.2 U1.38 U2.10 | length 2730.9
  Top Layer w7.87: U2.10@-256.89,2611.22 -223.43,2611.22 -212.6,2622.05 47.24,2622.05 94.49,2574.8 v1(141.73,2574.8) ; U1.38@0,1625.98 0,1944.88 62.99,2007.87 157.48,2007.87 165.35,2015.75 165.35,2236.22 149.61,2251.97 149.61,2283.46 165.35,2299.21 165.35,2511.81 141.73,2535.43 v1(141.73,2574.8) ; R20.2@96.46,2330.71 165.35,2330.71 ; v1(267.72,2574.8) 394.09,2448.43 H6.7@398.82,2448.43 ; v1(392.74,2905.51) 282.35,2905.51 149.61,2772.77 149.61,2692.91 141.73,2685.04 v1(141.73,2574.8)
  Bottom Layer w7.87: v1(141.73,2574.8) v1(267.72,2574.8) ; v1(392.74,2905.51) 439.03,2905.51 454.78,2889.76 474.35,2889.76 482.22,2897.63 619.68,2897.63 H3.7@689.17,2967.13
XPD_MISO: H3.4 H6.4 U1.30 U2.12 U3.2 | length 2966
  Top Layer w7.87: U2.12@-483.27,2585.63 -361.95,2585.63 -294.04,2653.54 86.61,2653.54 102.36,2637.8 v1(118.11,2637.8) ; U1.30@125.98,1625.98 125.98,1662.77 155.51,1692.3 205.34,1742.13 219.12,1755.91 230.26,1755.91 244.09,1769.74 244.09,1780.88 244.09,1897.64 v1(228.35,1913.39) v1(228.35,2637.8) 228.35,2762.43 300.56,2834.65 423.85,2834.65 488.19,2898.99 v1(488.19,3000) ; v1(275.59,2637.8) 331.72,2637.8 368.33,2601.18 451.57,2601.18 H6.4@498.82,2648.43 ; v1(283.46,1913.39) 371.69,1913.39 U3.2@373.07,1914.76
  Bottom Layer w7.87: v1(118.11,2637.8) v1(228.35,2637.8) v1(275.59,2637.8) ; v1(228.35,1913.39) v1(283.46,1913.39) ; v1(488.19,3000) 488.19,3023.62 519.69,3055.12 551.18,3055.12 H3.4@589.17,3017.13
XPD_MOSI: H3.5 H6.5 U1.31 U2.13 U3.5 | length 3055.8
  Top Layer w7.87: U2.13@-483.27,2560.04 -365.27,2560.04 -287.52,2637.8 55.12,2637.8 86.61,2606.3 v1(118.11,2606.3) ; U1.31@110.24,1625.98 110.24,1669.29 v1(220.47,1779.53) 220.47,1887.85 204.72,1903.6 204.72,1923.17 212.6,1931.04 212.6,2582.68 204.72,2590.55 v1(204.72,2606.29) 204.72,2653.54 212.6,2661.42 212.6,2768.95 294.04,2850.39 417.32,2850.39 464.57,2897.64 v1(464.57,2913.38) ; v1(275.59,2606.29) 340.94,2606.29 H6.5@398.82,2548.43 ; v1(283.46,1779.53) 496.06,1779.53 531.3,1814.76 U3.5@587.57,1814.76
  Bottom Layer w7.87: v1(118.11,2606.3) v1(204.72,2606.29) v1(275.59,2606.29) ; v1(220.47,1779.53) v1(283.46,1779.53) ; v1(464.57,2913.38) 585.43,2913.38 H3.5@639.17,2967.13
XPD_RST: C19.1 D2.1 D3.1 D4.1 D5.1 D6.1 R1.1 U1.91 | length 3482.8
  Top Layer w7.87: D3.1@-59.06,2551.18 62.99,2551.18 102.36,2511.81 v1(125.98,2511.81) ; C19.1@11.81,950.79 15.75,954.72 15.75,984.25 47.24,1015.75 U1.91@47.24,1094.49 ; R1.1@15.75,812.99 -15.75,844.49 -15.75,915.35 C19.1@15.75,946.85 ; U1.91@47.24,1098.43 47.24,1133.86 80.71,1167.32 120.08,1167.32 149.61,1196.85 149.61,1461.3 212.6,1524.29 v1(212.6,1559.06) ; v1(220.47,1661.42) 220.47,1700.79 259.84,1740.16 259.84,1915.3 244.09,1931.04 244.09,2314.96 ; D6.1@405.51,2141.73 D5.1@405.51,2228.35 405.51,2305.12 D4.1@415.35,2314.96 ; D4.1@405.51,2314.96 244.09,2314.96 ; D2.1@866.14,2933.07 866.14,2921.26 763.78,2818.9 307.09,2818.9 244.09,2755.91 244.09,2661.42 251.97,2653.54 251.97,2622.05 244.09,2614.17 244.09,2535.43 251.97,2527.56 v1(251.97,2511.91) 251.97,2496.06 244.09,2488.19 244.09,2314.96
  Bottom Layer w7.87: v1(125.98,2511.81) v1@259.84,2511.81 ; v1(212.6,1559.06) 212.6,1606.3 220.47,1614.17 v1(220.47,1661.42)
XPD_SCK: H3.2 H6.2 U1.32 U2.11 U3.6 | length 3225
  Top Layer w7.87: U2.11@-483.27,2611.22 -358.63,2611.22 -300.56,2669.29 86.61,2669.29 v1(118.11,2700.79) ; U1.32@94.49,1625.98 94.49,1677.17 196.85,1779.53 v1(196.85,1874.02) 196.85,1889.2 188.98,1897.08 188.98,1929.69 196.85,1937.57 196.85,2576.15 181.1,2591.9 181.1,2616.08 188.98,2623.95 v1(188.98,2700.79) 188.98,2767.6 287.52,2866.14 409.05,2866.14 440.94,2898.04 440.94,2986.16 494.15,3039.37 H3.2@539.17,3039.37 ; v1(267.72,2700.79) 451.18,2700.79 H6.2@498.82,2748.43 ; v1(283.46,1881.89) 326.97,1838.39 476.18,1838.39 502.56,1864.76 U3.6@587.57,1864.76 ; H3.2@539.17,3017.13 H3.2@539.17,3039.37 ; H3.2@539.17,3065.55 H3.2@539.17,3039.37
  Bottom Layer w7.87: v1(118.11,2700.79) v1(188.98,2700.79) v1(267.72,2700.79) ; v1(196.85,1874.02) 275.59,1874.02 v1(283.46,1881.89)
pads on no net: J1.A8 J1.B8 U1.27 U1.28 U1.33 U1.39 U1.75 U1.76 U1.77 U1.78 U1.89 U1.90 U1.96 U2.9
copper on no net: | length 431.4
  Top Layer w7.87: -913.39,62.99 -834.65,62.99 ; -890.75,62.99 -890.75,96.46 ; -874.02,23.62 -874.02,62.99 ; -857.28,63.98 -857.28,96.46 ; -834.65,62.99 ccw(c-874.02,62.99) -834.65,62.99

## Polygon pours and split planes (outlines as drawn)
GND on Bottom Layer "Bottom Layer-GND" (solid, pour order 0): -1171.26,9.84 1171.26,9.84 1171.26,3139.76 -1171.26,3139.76
GND on Top Layer "Top Layer-GND" (solid, pour order 1): -1171.26,9.84 1171.26,9.84 1171.26,3139.76 -1171.26,3139.76

## Other copper
Top Layer:
  rectangle net GND: -307.09,1551.18 -204.72,1566.93
  rectangle net 1V8: -208.66,1610.24 -185.04,1633.86
  region net GND: 188.98,1094.49 192.91,1094.49 204.72,1094.49 204.72,1055.12 188.98,1070.87
  region net 1V8: -200.79,1633.86
  pour cut-out: -728.35,2858.27 -728.35,2700.79 -1003.94,2700.79 -1003.94,2858.27

## Silkscreen, mask and mechanical layers (free items; w line width, h text height)
Top Overlay:
  text "XPD" at 362.2,3062.99 h45
  text "RP" at -212.67,2961.11 h30
  text "3V3" at -127.66,2961.11 h30
  text "DIO" at 33.75,2961.11 h30
  text "CLK" at 133.75,2961.11 h30
  text "GND" at 233.75,2961.11 h30
  text "Boot / load" at -214.77,2818.9 h45
  text "STM / Prog" at -12.8,2803.9 h45
  text "Prog. Status" at 755.91,2779.53 h30
  text "3V3" at 227.35,2728.43 h30
  text "SCK" at 572.83,2728.43 h30
  text "ERR" at 1070.76,2720.16 h30
  text "TX" at 1070.76,2641.42 h30
  text "CS MEM" at 133.46,2628.43 h30
  text "MISO" at 572.83,2628.43 h30
  text "RX" at 1070.76,2562.68 h30
  text "MOSI" at 207.36,2528.43 h30
  text "GND" at 572.83,2528.43 h30
  text "RESET" at 785.08,2448.82 h60
  text "CS X2" at 162.99,2428.43 h30
  text "RST" at 572.83,2428.43 h30
  text "GND" at -944.88,2049.3 h30
  text "5V" at -826.77,2049.3 h30
  text "RST" at 732.28,2049.3 h30
  text "GND" at 854.91,2049.3 h30
  text "GND" at -944.88,1949.3 h30
  text "3V3" at -826.77,1949.3 h30
  text "PC0" at 732.28,1949.3 h30
  text "PC1" at 854.91,1949.3 h30
  text "CBO" at -944.88,1849.3 h30
  text "TMRB" at -826.77,1849.3 h30
  text "PC2" at 732.28,1849.3 h30
  text "PC3" at 854.91,1849.3 h30
  text "GND" at -944.88,1749.3 h30
  text "GND" at -826.77,1749.3 h30
  text "PC4" at 732.28,1749.3 h30
  text "PC5" at 854.91,1749.3 h30
  text "PD0" at -944.88,1649.3 h30
  text "PD1" at -826.77,1649.3 h30
  text "PC6" at 732.28,1649.3 h30
  text "PC7" at 854.91,1649.3 h30
  text "NTC0" at 331.5,1609.93 h30
  text "PD2" at -944.88,1549.3 h30
  text "PD3" at -826.77,1549.3 h30
  text "PD4" at 732.28,1549.3 h30
  text "PD5" at 854.91,1549.3 h30
  text "PA7" at -944.88,1449.3 h30
  text "PA6" at -826.77,1449.3 h30
  text "PD6" at 732.28,1449.3 h30
  text "PD7" at 854.91,1449.3 h30
  text "NTC1" at -350.39,1414.57 h30 r90
  text "PA5" at -944.88,1349.3 h30
  text "PA4" at -826.77,1349.3 h30
  text "PJ3" at 732.28,1349.3 h30
  text "GND" at 854.91,1349.3 h30
  text "PA3" at -944.88,1249.3 h30
  text "PA2" at -826.77,1249.3 h30
  text "PJ2" at 732.28,1249.3 h30
  text "GND" at 854.91,1249.3 h30
  text "PA1" at -944.88,1149.3 h30
  text "PA0" at -826.77,1149.3 h30
  text "PJ1" at 732.28,1149.3 h30
  text "GND" at 854.91,1149.3 h30
  text "PH0" at -944.88,1049.3 h30
  text "PH1" at -826.77,1049.3 h30
  text "PJ0" at 732.28,1049.3 h30
  text "GND" at 854.91,1049.3 h30
  text "PH2" at -944.88,949.3 h30
  text "PI0" at -826.77,949.3 h30
  text "PF0" at 732.28,949.3 h30
  text "GND" at 854.91,949.3 h30
  text "PI1" at -944.88,849.3 h30
  text "PI2" at -826.77,849.3 h30
  text "PF1" at 732.28,849.3 h30
  text "GND" at 854.91,849.3 h30
  text "GND" at -944.88,749.3 h30
  text "GND" at -826.77,749.3 h30
  text "GND" at 732.28,749.3 h30
  text "GND" at 854.91,749.3 h30
  text "PE0" at -944.88,649.3 h30
  text "PE1" at -826.77,649.3 h30
  text "AN3" at 732.28,649.3 h30
  text "GND" at 854.91,649.3 h30
  text "PE2" at -944.88,549.3 h30
  text "PE3" at -826.77,549.3 h30
  text "AN2" at 732.28,549.3 h30
  text "GND" at 854.91,549.3 h30
  text "XInC2 / Development / Board / v2.0" at -685.04,511.81 h60
  text "PE4" at -944.88,449.3 h30
  text "PE5" at -826.77,449.3 h30
  text "AN1" at 732.28,449.3 h30
  text "GND" at 854.91,449.3 h30
  text "PE6" at -944.88,349.3 h30
  text "PE7" at -826.77,349.3 h30
  text "AN0" at 732.28,349.3 h30
  text "GND" at 854.91,349.3 h30
Bottom Overlay:
  text "JLCJLCJLCJLC" at 794.12,3094.49 h30
  text "XInC2 Development Board v2.0 / PN: DB1202-A0367" at 821.85,2110.24 h60
  text "GND" at -826.77,2049.3 h30
  text "5V" at -685.04,2049.3 h30
  text "RST" at 803.15,2049.3 h30
  text "GND" at 925.77,2049.3 h30
  text "GND" at -826.77,1949.3 h30
  text "3V3" at -685.04,1949.3 h30
  text "PC0" at 803.15,1949.3 h30
  text "PC1" at 925.77,1949.3 h30
  text "CBO" at -826.77,1849.3 h30
  text "TMRB" at -685.04,1849.3 h30
  text "PC2" at 803.15,1849.3 h30
  text "PC3" at 925.77,1849.3 h30
  text "GND" at -826.77,1749.3 h30
  text "GND" at -685.04,1749.3 h30
  text "PC4" at 803.15,1749.3 h30
  text "PC5" at 925.77,1749.3 h30
  text "PD0" at -826.77,1649.3 h30
  text "PD1" at -685.04,1649.3 h30
  text "PC6" at 803.15,1649.3 h30
  text "PC7" at 925.77,1649.3 h30
  text "PD2" at -826.77,1549.3 h30
  text "PD3" at -685.04,1549.3 h30
  text "PD4" at 803.15,1549.3 h30
  text "PD5" at 925.77,1549.3 h30
  text "PA7" at -826.77,1449.3 h30
  text "PA6" at -685.04,1449.3 h30
  text "PD6" at 803.15,1449.3 h30
  text "PD7" at 925.77,1449.3 h30
  text "PA5" at -826.77,1349.3 h30
  text "PA4" at -685.04,1349.3 h30
  text "PJ3" at 803.15,1349.3 h30
  text "GND" at 925.77,1349.3 h30
  text "PA3" at -826.77,1249.3 h30
  text "PA2" at -685.04,1249.3 h30
  text "PJ2" at 803.15,1249.3 h30
  text "GND" at 925.77,1249.3 h30
  text "PA1" at -826.77,1149.3 h30
  text "PA0" at -685.04,1149.3 h30
  text "PJ1" at 803.15,1149.3 h30
  text "GND" at 925.77,1149.3 h30
  text "PH0" at -826.77,1049.3 h30
  text "PH1" at -685.04,1049.3 h30
  text "PJ0" at 803.15,1049.3 h30
  text "GND" at 925.77,1049.3 h30
  text "PH2" at -826.77,949.3 h30
  text "PI0" at -685.04,949.3 h30
  text "PF0" at 803.15,949.3 h30
  text "GND" at 925.77,949.3 h30
  text "PI1" at -826.77,849.3 h30
  text "PI2" at -685.04,849.3 h30
  text "PF1" at 803.15,849.3 h30
  text "GND" at 925.77,849.3 h30
  text "GND" at -826.77,749.3 h30
  text "GND" at -685.04,749.3 h30
  text "GND" at 803.15,749.3 h30
  text "GND" at 925.77,749.3 h30
  text "PE0" at -826.77,649.3 h30
  text "PE1" at -685.04,649.3 h30
  text "AN3" at 803.15,649.3 h30
  text "GND" at 925.77,649.3 h30
  text "PE2" at -826.77,549.3 h30
  text "PE3" at -685.04,549.3 h30
  text "AN2" at 803.15,549.3 h30
  text "GND" at 925.77,549.3 h30
  text "PE4" at -826.77,449.3 h30
  text "PE5" at -685.04,449.3 h30
  text "AN1" at 803.15,449.3 h30
  text "GND" at 925.77,449.3 h30
  text "PE6" at -826.77,349.3 h30
  text "PE7" at -685.04,349.3 h30
  text "AN0" at 803.15,349.3 h30
  text "GND" at 925.77,349.3 h30
  text "www.ElevenEngineering.com / www.SKAA.com / AdamGulyas.ca" at 724.77,7.87 h60
Board Outline (M1):
  the board outline again, w7.87
Ground Plane (M2):
  lines w7.87: -1171.26,9.84 1171.26,9.84 1171.26,3139.76 -1171.26,3139.76 -1171.26,9.84
Scratch (M3):
  lines w7.87: -1181.1,291.34 1181.1,291.34 ; 0,0 0,3149.61 ; 669.29,3149.61 669.29,2141.73 1181.1,2141.73 ; -370.08,984.25 370.08,984.25 370.08,1732.28 -370.08,1732.28 -370.08,984.25 ; -212.6,3055.12 307.09,3055.12 307.09,3102.36 -212.6,3102.36 -212.6,3055.12

## Dimensions
-1181.1,3149.61 to 1181.1,3149.61 on Ground Plane (M2)
-1181.1,3149.61 to -1181.1,0 on Ground Plane (M2)